# KiCad board WLED Matrix.kicad_pcb
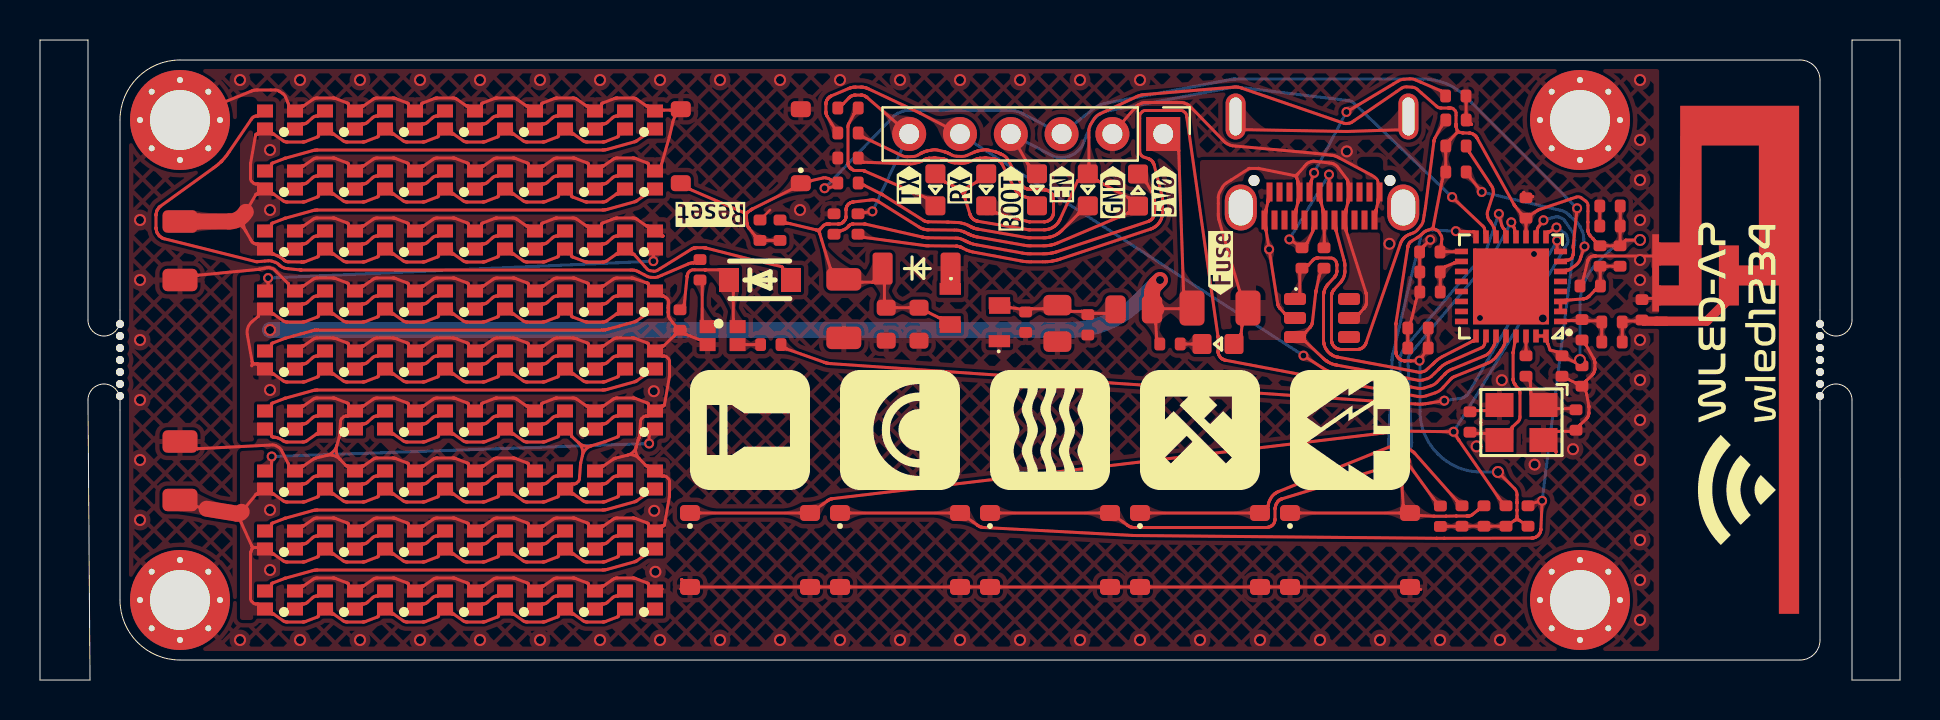
[diagram p0: board, top side]
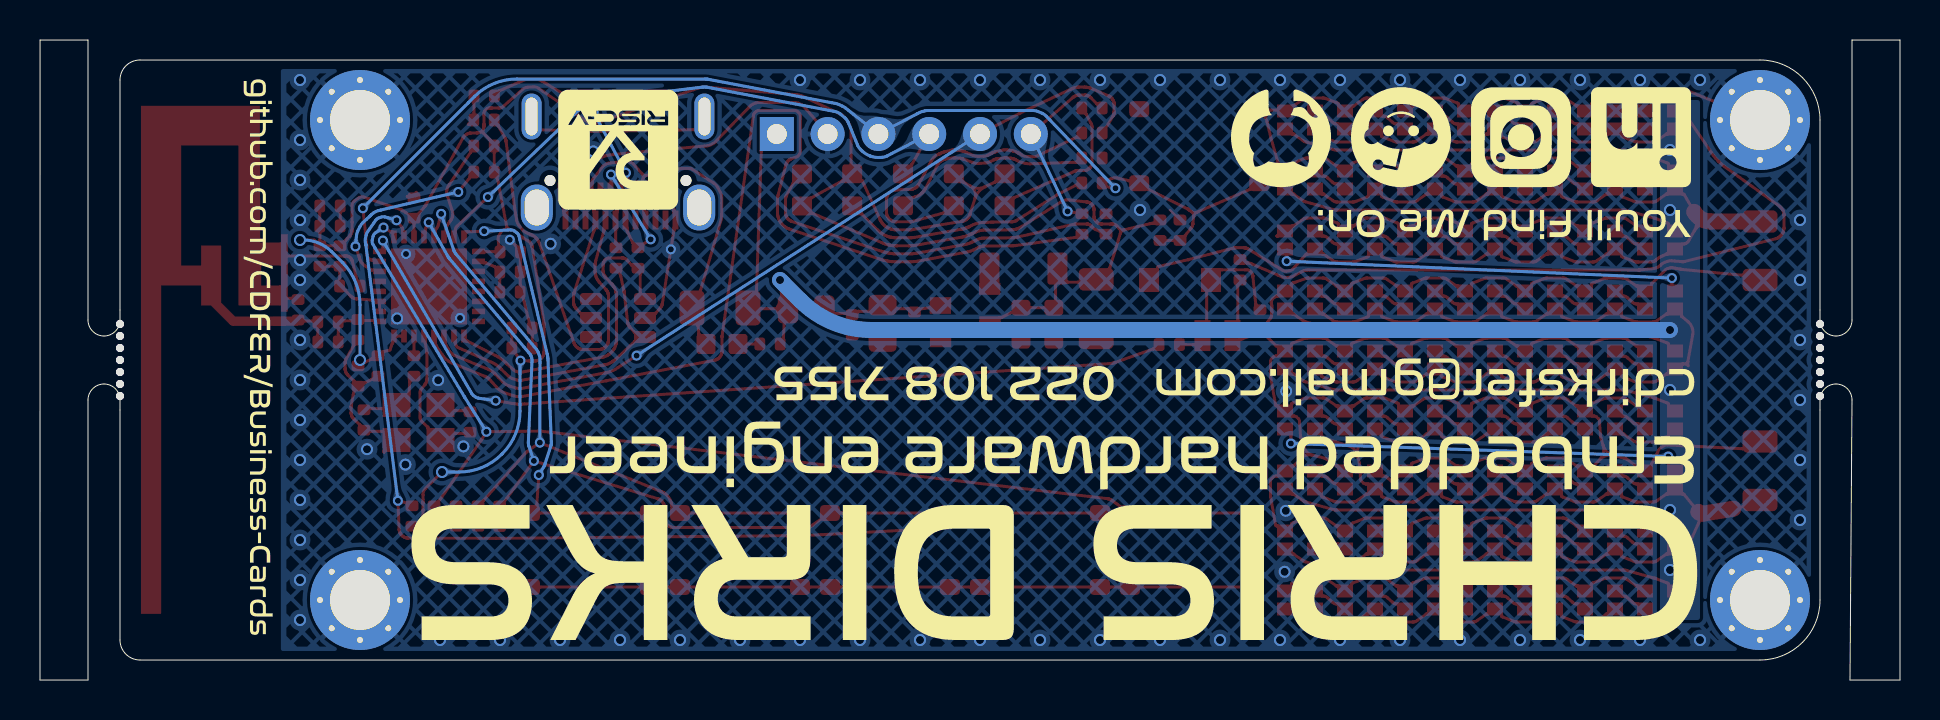
[diagram p1: board, bottom side, seen from below]

Outline 93 x 32 mm; copper layers: Top, Bottom. Coordinates in mm from the lower left corner of the outline.
Outline path: 3.2,14.8 arc(2.63,14.57) 2.4,14 2.5,0 0,0 0,32 2.4,32 2.4,18 arc(2.63,17.43) 3.2,17.2 ; 4,18.5 4,28 arc(4.88,30.12) 7,31 88,31 arc(88.71,30.71) 89,30 89,18.5 ; 4,13.5 4,4 arc(4.88,1.88) 7,1 88,1 arc(88.71,1.29) 89,2 89,13.5 ; 89.8,14.8 arc(90.37,14.57) 90.6,14 90.6,0 93,0 93,32 90.6,32 ; 90.6,32 90.6,18 arc(90.37,17.43) 89.8,17.2
Stack: Top 0.035mm / dielectric 0.9mm FR4 er 4.5 / Bottom 0.035mm

## Placement (name value [footprint] x y rotation side)
AE1  Inverted_F_50ohm  [Inverted_F_Antenna_2.4Ghz_1.0mmPCB_TI_CC2430DB.pretty]  87.95 28.71 270 top
C1  0402,100nF,50V,X7R  [0402_1005Metric]  74.3 23.6 90 top
C2  1206,100uF,6.3V,X5R  [1206_3216Metric]  40.19 18.57 270 top
C3  0805,1uF,50V,X7R  [0805_2012Metric]  50.87 17.83 270 top
C4  0402,1.5pF,50V,C0G  [0402_1005Metric]  80.1 18.51 90 top
C5  0402,1.5pF,50V,C0G  [0402_1005Metric]  77.1 17.51 270 top
C6  100nF  [0402_1005Metric]  32 18 270 top
C7  0402,330pF,50V,C0G  [0402_1005Metric]  49.28 17.89 270 top
C8  0402,4.7uF,10V,X5R  [0402_1005Metric]  52.39 17.76 270 top
C12  0603,470nF,25V,X7R  [0603_1608Metric]  42.31 17.79 270 top
C13  0603,330pF,50V,C0G  [0603_1608Metric]  43.95 17.79 270 top
C21  0402,10uF,6.3V,X5R  [0402_1005Metric]  68.9 17.6 180 top
C22  0402,12pF,50V,C0G  [0402_1005Metric]  71.5 12.9 90 top
C23  0402,12pF,50V,C0G  [0402_1005Metric]  76.8 13 90 top
C24  1206,4.7uF,50V,X7R  [1206_3216Metric]  7 21.46 270 top
C25  1206,4.7uF,50V,X7R  [1206_3216Metric]  7 10.46 90 top
C51  0402,10uF,6.3V,X5R  [0402_1005Metric]  68.9 16.6 180 top
C52  0402,1uF,25V,X5R  [0402_1005Metric]  78.5 23.7 180 top
C53  0402,100nF,50V,X7R  [0402_1005Metric]  78.5 22.7 180 top
C54  0402,100nF,50V,X7R  [0402_1005Metric]  69.5 20.4 180 top
C55  0402,1uF,25V,X5R  [0402_1005Metric]  77.51 19.7 180 top
C56  0402,1uF,25V,X5R  [0402_1005Metric]  69.5 19.4 180 top
C57  0402,100nF,50V,X7R  [0402_1005Metric]  69.49 21.4 180 top
C58  0402,100nF,50V,X7R  [0402_1005Metric]  76.1 15.7 270 top
C59  0402,1uF,25V,X5R  [0402_1005Metric]  77.1 15.2 270 top
C60  0402,1uF,25V,X5R  [0402_1005Metric]  36 22.49 90 top
D2  Zenner 3.3V <2uA ZMM3V3  [LL-34_L3.5-W1.5-RD]  43.83 20.57 0 top
ESD1  SRV05  [SOT-23-6_L2.9-W1.6-P0.95-LS2.8-BR]  64.1 18.1 180 top
F1  1.5A Resettable Fuse  [Fuse_1206_3216Metric]  59 18.6 0 top
FB1  0805,800mA  [0805_2012Metric]  54.69 18.53 180 top
J1  Conn_01x06_Socket  [PinHeader_1x06_P2.54mm_Vertical]  56.16 27.3 270 top
J2  USB_C_Receptacle  [TYPE-C-SMD_C9900025773]  64.1 25.59 180 top
kibuzzard-66972DEC  G***  [kibuzzard-66972DEC]  43.45 24.76 90 top
kibuzzard-66972E01  G***  [kibuzzard-66972E01]  45.99 24.76 90 top
kibuzzard-66972E1B  G***  [kibuzzard-66972E1B]  48.54 24.08 90 top
kibuzzard-66972E33  G***  [kibuzzard-66972E33]  51.09 24.79 90 top
kibuzzard-66972E52  G***  [kibuzzard-66972E52]  53.64 24.4 90 top
kibuzzard-66972E60  G***  [kibuzzard-66972E60]  56.2 24.44 90 top
kibuzzard-66972EDE  G***  [kibuzzard-66972EDE]  59.03 20.85 90 top
kibuzzard-66972F43  G***  [kibuzzard-66972F43]  33.52 23.28 180 top
L3  0402,3.9nH,300mA  [0402_1005Metric]  78.6 16.9 180 top
L4  0402,3.9nH,300mA  [0402_1005Metric]  78.6 17.9 180 top
L5  0402,3.9nH,300mA  [0402_1005Metric]  79 21.2 270 top
L6  0402,3.9nH,300mA  [0402_1005Metric]  78 21.2 270 top
LDO1  LDO 3.3V 200mA XC6206P332MR  [SOT-23-3_L2.9-W1.6-P1.90-LS2.8-BR]  46.73 17.89 0 top
LDO1#2  LDO 3.3V 200mA XC6206P332MR  [SOT-23-3_L2.9-W1.6-P1.90-LS2.8-BR]  46.75 18.61 180 top
LED1  0603,Red  [LED0603]  58.9 16.8 0 top
LED2  0603,Red  [LED0603]  54.9 24.5 270 top
LED4  0603,Yellow  [LED0603]  44.77 24.51 90 top
LED5  0603,Yellow  [LED0603]  47.31 24.51 90 top
LED6  0603,Red  [LED0603]  52.39 24.51 90 top
LED7  0603,Red  [LED0603]  49.85 24.51 90 top
M1  -  [MountingHole_3.2mm_M3]  7 28 90 top
M2  -  [MountingHole_3.2mm_M3]  77 28 90 top
M3  -  [MountingHole_3.2mm_M3]  77 4 90 top
M4  -  [MountingHole_3.2mm_M3]  7 4 90 top
MB2  -  [MouseBitesJLCPCB]  89 16 270 top
MB3  -  [MouseBitesJLCPCB]  4 16 90 top
R1  0402,100  [0402_1005Metric]  36.54 16.77 180 top
R2  0402,0,1A  [0402_1005Metric]  63.1 21.1 270 top
R3  0402,0,1A  [0402_1005Metric]  64.2 21.1 270 top
R4  0402,10k  [0402_1005Metric]  70.8 26.7 0 top
R5  0402,100  [0402_1005Metric]  33 20.51 90 top
R6  0402,0,1A  [0402_1005Metric]  74.3 15.7 270 top
R7  0402,10k  [0402_1005Metric]  70.8 25.4 0 top
R12  0402,680  [0402_1005Metric]  40.4 27.35 180 top
R13  0402,5.1k  [0402_1005Metric]  70.8 28 0 top
R14  0402,5.1k  [0402_1005Metric]  70.79 29.2 0 top
R15  0402,1.2k  [0402_1005Metric]  40.4 24.85 180 top
R16  0402,1.2k  [0402_1005Metric]  40.4 26.1 180 top
R17  0402,680  [0402_1005Metric]  40.4 28.6 180 top
R18  0402,330  [0402_1005Metric]  56.5 16.8 0 top
R20  0402,10k  [0402_1005Metric]  73.3 8.2 90 top
R21  0402,10k  [0402_1005Metric]  74.4 8.2 90 top
R22  0402,1.2k  [0402_1005Metric]  39.7 22.8 90 top
R23  0402,510  [0402_1005Metric]  40.9 22.8 90 top
R24  0402,10k  [0402_1005Metric]  70.02 8.19 90 top
R27  0402,10k  [0402_1005Metric]  71.1 8.2 90 top
R28  0402,10k  [0402_1005Metric]  72.2 8.2 90 top
R36  0402,10k  [0402_1005Metric]  37 22.49 270 top
RGB1  XL-1615RGBC-WS2812B  [LED-SMD_4P-L1.6-W1.5_XL-1615RGBC-WS2812B]  34.13 17.22 0 top
RGB2  XL-1615RGBC-WS2812B  [LED-SMD_4P-L1.6-W1.5_XL-1615RGBC-WS2812B]  12 28 180 top
RGB3  XL-1615RGBC-WS2812B  [LED-SMD_4P-L1.6-W1.5_XL-1615RGBC-WS2812B]  15 28 180 top
RGB4  XL-1615RGBC-WS2812B  [LED-SMD_4P-L1.6-W1.5_XL-1615RGBC-WS2812B]  18 28 180 top
RGB5  XL-1615RGBC-WS2812B  [LED-SMD_4P-L1.6-W1.5_XL-1615RGBC-WS2812B]  21 28 180 top
RGB6  XL-1615RGBC-WS2812B  [LED-SMD_4P-L1.6-W1.5_XL-1615RGBC-WS2812B]  24 28 180 top
RGB7  XL-1615RGBC-WS2812B  [LED-SMD_4P-L1.6-W1.5_XL-1615RGBC-WS2812B]  27 28 180 top
RGB8  XL-1615RGBC-WS2812B  [LED-SMD_4P-L1.6-W1.5_XL-1615RGBC-WS2812B]  30 28 180 top
RGB9  XL-1615RGBC-WS2812B  [LED-SMD_4P-L1.6-W1.5_XL-1615RGBC-WS2812B]  12 25 180 top
RGB10  XL-1615RGBC-WS2812B  [LED-SMD_4P-L1.6-W1.5_XL-1615RGBC-WS2812B]  15 25 180 top
RGB11  XL-1615RGBC-WS2812B  [LED-SMD_4P-L1.6-W1.5_XL-1615RGBC-WS2812B]  18 25 180 top
RGB12  XL-1615RGBC-WS2812B  [LED-SMD_4P-L1.6-W1.5_XL-1615RGBC-WS2812B]  21 25 180 top
RGB13  XL-1615RGBC-WS2812B  [LED-SMD_4P-L1.6-W1.5_XL-1615RGBC-WS2812B]  24 25 180 top
RGB14  XL-1615RGBC-WS2812B  [LED-SMD_4P-L1.6-W1.5_XL-1615RGBC-WS2812B]  27 25 180 top
RGB15  XL-1615RGBC-WS2812B  [LED-SMD_4P-L1.6-W1.5_XL-1615RGBC-WS2812B]  30 25 180 top
RGB16  XL-1615RGBC-WS2812B  [LED-SMD_4P-L1.6-W1.5_XL-1615RGBC-WS2812B]  12 22 180 top
RGB17  XL-1615RGBC-WS2812B  [LED-SMD_4P-L1.6-W1.5_XL-1615RGBC-WS2812B]  15 22 180 top
RGB18  XL-1615RGBC-WS2812B  [LED-SMD_4P-L1.6-W1.5_XL-1615RGBC-WS2812B]  18 22 180 top
RGB19  XL-1615RGBC-WS2812B  [LED-SMD_4P-L1.6-W1.5_XL-1615RGBC-WS2812B]  21 22 180 top
RGB20  XL-1615RGBC-WS2812B  [LED-SMD_4P-L1.6-W1.5_XL-1615RGBC-WS2812B]  24 22 180 top
RGB21  XL-1615RGBC-WS2812B  [LED-SMD_4P-L1.6-W1.5_XL-1615RGBC-WS2812B]  27 22 180 top
RGB22  XL-1615RGBC-WS2812B  [LED-SMD_4P-L1.6-W1.5_XL-1615RGBC-WS2812B]  30 22 180 top
RGB23  XL-1615RGBC-WS2812B  [LED-SMD_4P-L1.6-W1.5_XL-1615RGBC-WS2812B]  12 19 180 top
RGB24  XL-1615RGBC-WS2812B  [LED-SMD_4P-L1.6-W1.5_XL-1615RGBC-WS2812B]  15 19 180 top
RGB25  XL-1615RGBC-WS2812B  [LED-SMD_4P-L1.6-W1.5_XL-1615RGBC-WS2812B]  18 19 180 top
RGB26  XL-1615RGBC-WS2812B  [LED-SMD_4P-L1.6-W1.5_XL-1615RGBC-WS2812B]  21 19 180 top
RGB27  XL-1615RGBC-WS2812B  [LED-SMD_4P-L1.6-W1.5_XL-1615RGBC-WS2812B]  24 19 180 top
RGB28  XL-1615RGBC-WS2812B  [LED-SMD_4P-L1.6-W1.5_XL-1615RGBC-WS2812B]  27 19 180 top
RGB29  XL-1615RGBC-WS2812B  [LED-SMD_4P-L1.6-W1.5_XL-1615RGBC-WS2812B]  30 19 180 top
RGB30  XL-1615RGBC-WS2812B  [LED-SMD_4P-L1.6-W1.5_XL-1615RGBC-WS2812B]  12 16 180 top
RGB31  XL-1615RGBC-WS2812B  [LED-SMD_4P-L1.6-W1.5_XL-1615RGBC-WS2812B]  15 16 180 top
RGB32  XL-1615RGBC-WS2812B  [LED-SMD_4P-L1.6-W1.5_XL-1615RGBC-WS2812B]  18 16 180 top
RGB33  XL-1615RGBC-WS2812B  [LED-SMD_4P-L1.6-W1.5_XL-1615RGBC-WS2812B]  21 16 180 top
RGB34  XL-1615RGBC-WS2812B  [LED-SMD_4P-L1.6-W1.5_XL-1615RGBC-WS2812B]  24 16 180 top
RGB35  XL-1615RGBC-WS2812B  [LED-SMD_4P-L1.6-W1.5_XL-1615RGBC-WS2812B]  27 16 180 top
RGB36  XL-1615RGBC-WS2812B  [LED-SMD_4P-L1.6-W1.5_XL-1615RGBC-WS2812B]  30 16 180 top
RGB37  XL-1615RGBC-WS2812B  [LED-SMD_4P-L1.6-W1.5_XL-1615RGBC-WS2812B]  12 13 180 top
RGB38  XL-1615RGBC-WS2812B  [LED-SMD_4P-L1.6-W1.5_XL-1615RGBC-WS2812B]  15 13 180 top
RGB39  XL-1615RGBC-WS2812B  [LED-SMD_4P-L1.6-W1.5_XL-1615RGBC-WS2812B]  18 13 180 top
RGB40  XL-1615RGBC-WS2812B  [LED-SMD_4P-L1.6-W1.5_XL-1615RGBC-WS2812B]  21 13 180 top
RGB41  XL-1615RGBC-WS2812B  [LED-SMD_4P-L1.6-W1.5_XL-1615RGBC-WS2812B]  24 13 180 top
RGB42  XL-1615RGBC-WS2812B  [LED-SMD_4P-L1.6-W1.5_XL-1615RGBC-WS2812B]  27 13 180 top
RGB43  XL-1615RGBC-WS2812B  [LED-SMD_4P-L1.6-W1.5_XL-1615RGBC-WS2812B]  30 13 180 top
RGB44  XL-1615RGBC-WS2812B  [LED-SMD_4P-L1.6-W1.5_XL-1615RGBC-WS2812B]  12 10 180 top
RGB45  XL-1615RGBC-WS2812B  [LED-SMD_4P-L1.6-W1.5_XL-1615RGBC-WS2812B]  15 10 180 top
RGB46  XL-1615RGBC-WS2812B  [LED-SMD_4P-L1.6-W1.5_XL-1615RGBC-WS2812B]  18 10 180 top
RGB47  XL-1615RGBC-WS2812B  [LED-SMD_4P-L1.6-W1.5_XL-1615RGBC-WS2812B]  21 10 180 top
RGB48  XL-1615RGBC-WS2812B  [LED-SMD_4P-L1.6-W1.5_XL-1615RGBC-WS2812B]  24 10 180 top
RGB49  XL-1615RGBC-WS2812B  [LED-SMD_4P-L1.6-W1.5_XL-1615RGBC-WS2812B]  27 10 180 top
RGB50  XL-1615RGBC-WS2812B  [LED-SMD_4P-L1.6-W1.5_XL-1615RGBC-WS2812B]  30 10 180 top
RGB51  XL-1615RGBC-WS2812B  [LED-SMD_4P-L1.6-W1.5_XL-1615RGBC-WS2812B]  12 7 180 top
RGB52  XL-1615RGBC-WS2812B  [LED-SMD_4P-L1.6-W1.5_XL-1615RGBC-WS2812B]  15 7 180 top
RGB53  XL-1615RGBC-WS2812B  [LED-SMD_4P-L1.6-W1.5_XL-1615RGBC-WS2812B]  18 7 180 top
RGB54  XL-1615RGBC-WS2812B  [LED-SMD_4P-L1.6-W1.5_XL-1615RGBC-WS2812B]  21 7 180 top
RGB55  XL-1615RGBC-WS2812B  [LED-SMD_4P-L1.6-W1.5_XL-1615RGBC-WS2812B]  24 7 180 top
RGB56  XL-1615RGBC-WS2812B  [LED-SMD_4P-L1.6-W1.5_XL-1615RGBC-WS2812B]  27 7 180 top
RGB57  XL-1615RGBC-WS2812B  [LED-SMD_4P-L1.6-W1.5_XL-1615RGBC-WS2812B]  30 7 180 top
RGB58  XL-1615RGBC-WS2812B  [LED-SMD_4P-L1.6-W1.5_XL-1615RGBC-WS2812B]  12 4 180 top
RGB59  XL-1615RGBC-WS2812B  [LED-SMD_4P-L1.6-W1.5_XL-1615RGBC-WS2812B]  15 4 180 top
RGB60  XL-1615RGBC-WS2812B  [LED-SMD_4P-L1.6-W1.5_XL-1615RGBC-WS2812B]  18 4 180 top
RGB61  XL-1615RGBC-WS2812B  [LED-SMD_4P-L1.6-W1.5_XL-1615RGBC-WS2812B]  21 4 180 top
RGB62  XL-1615RGBC-WS2812B  [LED-SMD_4P-L1.6-W1.5_XL-1615RGBC-WS2812B]  24 4 180 top
RGB63  XL-1615RGBC-WS2812B  [LED-SMD_4P-L1.6-W1.5_XL-1615RGBC-WS2812B]  27 4 180 top
RGB64  XL-1615RGBC-WS2812B  [LED-SMD_4P-L1.6-W1.5_XL-1615RGBC-WS2812B]  30 4 180 top
SW5  Button SPST 50mA 12V  [SW-SMD_4P-L5.1-W5.1-P3.70-LS6.5-TL-2]  35.5 6.5 0 top
SW6  Button SPST 50mA 12V  [SW-SMD_4P-L5.1-W5.1-P3.70-LS6.5-TL-2]  43 6.5 0 top
SW7  Button SPST 50mA 12V  [SW-SMD_4P-L5.1-W5.1-P3.70-LS6.5-TL-2]  50.5 6.5 0 top
SW8  Button SPST 50mA 12V  [SW-SMD_4P-L5.1-W5.1-P3.70-LS6.5-TL-2]  58 6.5 0 top
SW9  Button SPST 50mA 12V  [SW-SMD_4P-L5.1-W5.1-P3.70-LS6.5-TL-2]  65.5 6.5 0 top
SW11  Button SPST 50mA 12V  [SW-SMD_4P-L5.1-W5.1-P3.70-LS6.5-TL-2]  35.04 26.69 180 top
U1  SM4007PL  [SOD-123F_L2.8-W1.8-LS3.7-RD]  36 20 0 top
U3  ESP32-C3FH4  [QFN-32_L5.0-W5.0-P0.50-TL-EP3.7]  73.55 19.68 180 top
X1  40Mhz  [OSC-SMD_4P-L3.2-W2.5-BL]  74.07 12.87 180 top

## Library data of the parts
AE1 = -: Description: Antenna with extra pin for shielding
C1 C53 C54 C57 C58 = -: Datasheet: https://datasheet.lcsc.com/lcsc/1810191222_Samsung-Electro-Mechanics-CL05B104KB54PNC_C307331.pdf; Description: 50V 100nF X7R   10% 0402 Multilayer Ceramic Capacitors MLCC - SMD SMT ROHS; LCSC: C307331; MFG: Samsung Electro-Mechanics; MFGPN: CL05B104KB54PNC
C2 = -: Datasheet: https://datasheet.lcsc.com/lcsc/1810301816_Samsung-Electro-Mechanics-CL31A107MQHNNNE_C15008.pdf; Description: 6 3V 100uF X5R   20% 1206 Multilayer Ceramic Capacitors MLCC - SMD SMT ROHS; LCSC: C15008; MFG: Samsung Electro-Mechanics; MFGPN: CL31A107MQHNNNE
C3 = -: Datasheet: https://datasheet.lcsc.com/lcsc/1810191216_Samsung-Electro-Mechanics-CL21B105KBFNNNE_C28323.pdf; Description: 50V 1uF X7R   10% 0805 Multilayer Ceramic Capacitors MLCC - SMD SMT ROHS; LCSC: C28323; MFG: Samsung Electro-Mechanics; MFGPN: CL21B105KBFNNNE
C4 C5 = -: Datasheet: https://datasheet.lcsc.com/lcsc/1811151132_FH-Guangdong-Fenghua-Advanced-Tech-0402CG1R5C500NT_C1552.pdf; Description: 50V 1 5pF C0G   0 25pF 0402 Multilayer Ceramic Capacitors MLCC - SMD SMT ROHS; LCSC: C1552; MFG: FH(Guangdong Fenghua Advanced Tech); MFGPN: 0402CG1R5C500NT
C6 = -: Datasheet: https://datasheet.lcsc.com/lcsc/1810191219_Samsung-Electro-Mechanics-CL05B104KO5NNNC_C1525.pdf; Description: 16V 100nF X7R   10% 0402 Multilayer Ceramic Capacitors MLCC - SMD SMT ROHS; LCSC: C1525; MFG: Samsung Electro-Mechanics; MFGPN: CL05B104KO5NNNC
C7 = -: Datasheet: https://datasheet.lcsc.com/lcsc/1810192025_Samsung-Electro-Mechanics-CL05C331JB5NNNC_C13533.pdf; Description: 50V 330pF C0G   5% 0402 Multilayer Ceramic Capacitors MLCC - SMD SMT ROHS; LCSC: C13533; MFG: Samsung Electro-Mechanics; MFGPN: CL05C331JB5NNNC
C8 = -: Datasheet: https://datasheet.lcsc.com/lcsc/1810191211_Samsung-Electro-Mechanics-CL05A475MP5NRNC_C23733.pdf; Description: 10V 4 7uF X5R   20% 0402 Multilayer Ceramic Capacitors MLCC - SMD SMT ROHS; LCSC: C23733; MFG: Samsung Electro-Mechanics; MFGPN: CL05A475MP5NRNC
C12 = -: Datasheet: https://datasheet.lcsc.com/lcsc/1810261513_Samsung-Electro-Mechanics-CL10B474KA8NNNC_C1623.pdf; Description: 25V 470nF X7R   10% 0603 Multilayer Ceramic Capacitors MLCC - SMD SMT ROHS; LCSC: C1623; MFG: Samsung Electro-Mechanics; MFGPN: CL10B474KA8NNNC
C13 = -: Datasheet: https://datasheet.lcsc.com/lcsc/1810261512_Samsung-Electro-Mechanics-CL10C331JB8NNNC_C1664.pdf; Description: 50V 330pF C0G   5% 0603 Multilayer Ceramic Capacitors MLCC - SMD SMT ROHS; LCSC: C1664; MFG: Samsung Electro-Mechanics; MFGPN: CL10C331JB8NNNC
C21 C51 = -: Datasheet: https://datasheet.lcsc.com/lcsc/1810191215_Samsung-Electro-Mechanics-CL05A106MQ5NUNC_C15525.pdf; Description: 6 3V 10uF X5R   20% 0402 Multilayer Ceramic Capacitors MLCC - SMD SMT ROHS; LCSC: C15525; MFG: Samsung Electro-Mechanics; MFGPN: CL05A106MQ5NUNC
C22 C23 = -: Datasheet: https://datasheet.lcsc.com/lcsc/1811141710_FH-Guangdong-Fenghua-Advanced-Tech-0402CG120J500NT_C1547.pdf; Description: 50V 12pF C0G   5% 0402 Multilayer Ceramic Capacitors MLCC - SMD SMT ROHS; LCSC: C1547; MFG: FH(Guangdong Fenghua Advanced Tech); MFGPN: 0402CG120J500NT
C24 C25 = -: Datasheet: https://datasheet.lcsc.com/lcsc/1811091112_FH-Guangdong-Fenghua-Advanced-Tech-1206B475K500NT_C29823.pdf; Description: 50V 4 7uF X7R   10% 1206 Multilayer Ceramic Capacitors MLCC - SMD SMT ROHS; LCSC: C29823; MFG: FH(Guangdong Fenghua Advanced Tech); MFGPN: 1206B475K500NT
C52 C55 C56 C59 C60 = -: Datasheet: https://datasheet.lcsc.com/lcsc/1811091611_Samsung-Electro-Mechanics-CL05A105KA5NQNC_C52923.pdf; Description: 25V 1uF X5R   10% 0402 Multilayer Ceramic Capacitors MLCC - SMD SMT ROHS; LCSC: C52923; MFG: Samsung Electro-Mechanics; MFGPN: CL05A105KA5NQNC
D2 = -: Datasheet: https://www.lcsc.com/product-detail/Zener-Diodes_ST-Semtech-ZMM3V3-M_C8056.html; LCSC: C7497475; Field5: REF**
ESD1 = -: Datasheet: https://item.szlcsc.com/169042.html; LCSC: C85364; Field5: REF**
F1 = -: Description: Resettable fuse, polymeric positive temperature coefficient; LCSC: C2838983; ki_fp_filters: *polyfuse* *PTC*
FB1 = -: Datasheet: https://item.szlcsc.com/344132.html; LCSC: C1015
J1 = -: Description: Generic connector, single row, 01x06, script generated; ki_fp_filters: Connector*:*_1x??_*
J2 = -: Datasheet: https://www.usb.org/sites/default/files/documents/usb_type-c.zip; Description: USB Full-Featured Type-C Receptacle connector; LCSC: C5156605; Field5: REF**; ki_fp_filters: USB*C*Receptacle*
L3-L6 = -: Datasheet: https://item.szlcsc.com/344049.html; LCSC: C14033
LDO1 LDO1#2 = -: Datasheet: https://datasheet.lcsc.com/lcsc/2304140030_Torex-Semicon-XC6206P332MR_C5446.pdf; LCSC: C5446; Field5: REF**
LED1 LED2 LED6 LED7 = -: Datasheet: https://item.szlcsc.com/347874.html; LCSC: C2286; Field5: REF**
LED4 LED5 = -: Datasheet: https://atta.szlcsc.com/upload/public/pdf/source/20180129/C125100_15171877314981315871.pdf; LCSC: C72038; Field5: REF**
R1 R5 = -: Datasheet: https://datasheet.lcsc.com/lcsc/2110252230_UNI-ROYAL-Uniroyal-Elec-0402WGF1000TCE_C25076.pdf; Description: 1% 1 16W Thick Film Resistors 50V   200ppm    -55    155   100   0402 Chip Resistor - Surface Mount ROHS; LCSC: C25076; MFG: UNI-ROYAL(Uniroyal Elec); MFGPN: 0402WGF1000TCE
R2 R3 R6 = -: Datasheet: https://datasheet.lcsc.com/lcsc/2110251730_UNI-ROYAL-Uniroyal-Elec-0402WGF0000TCE_C17168.pdf; Description: 1% 1 16W Thick Film Resistors 50V   800ppm    -55    155   0   0402 Chip Resistor - Surface Mount ROHS; LCSC: C17168; MFG: UNI-ROYAL(Uniroyal Elec); MFGPN: 0402WGF0000TCE
R4 R7 R20 R21 R24 R27 R28 R36 = -: Datasheet: https://datasheet.lcsc.com/lcsc/2110260030_UNI-ROYAL-Uniroyal-Elec-0402WGF1002TCE_C25744.pdf; Description: 1% 1 16W Thick Film Resistors 50V   100ppm    -55    155   10k   0402 Chip Resistor - Surface Mount ROHS; LCSC: C25744; MFG: UNI-ROYAL(Uniroyal Elec); MFGPN: 0402WGF1002TCE
R12 R17 = -: Datasheet: https://datasheet.lcsc.com/lcsc/2110252230_UNI-ROYAL-Uniroyal-Elec-0402WGF6800TCE_C25130.pdf; Description: 1% 1 16W Thick Film Resistors 50V   100ppm    -55    155   680   0402 Chip Resistor - Surface Mount ROHS; LCSC: C25130; MFG: UNI-ROYAL(Uniroyal Elec); MFGPN: 0402WGF6800TCE
R13 R14 = -: Datasheet: https://datasheet.lcsc.com/lcsc/2110260030_UNI-ROYAL-Uniroyal-Elec-0402WGF5101TCE_C25905.pdf; Description: 1% 1 16W Thick Film Resistors 50V   100ppm    -55    155   5 1k   0402 Chip Resistor - Surface Mount ROHS; LCSC: C25905; MFG: UNI-ROYAL(Uniroyal Elec); MFGPN: 0402WGF5101TCE
R15 R16 R22 = -: Datasheet: https://datasheet.lcsc.com/lcsc/2110260030_UNI-ROYAL-Uniroyal-Elec-0402WGF1201TCE_C25862.pdf; Description: 1% 1 16W Thick Film Resistors 50V   100ppm    -55    155   1 2k   0402 Chip Resistor - Surface Mount ROHS; LCSC: C25862; MFG: UNI-ROYAL(Uniroyal Elec); MFGPN: 0402WGF1201TCE
R18 = -: Datasheet: https://datasheet.lcsc.com/lcsc/2110252230_UNI-ROYAL-Uniroyal-Elec-0402WGF3300TCE_C25104.pdf; Description: 1% 1 16W Thick Film Resistors 50V   100ppm    -55    155   330   0402 Chip Resistor - Surface Mount ROHS; LCSC: C25104; MFG: UNI-ROYAL(Uniroyal Elec); MFGPN: 0402WGF3300TCE
R23 = -: Datasheet: https://datasheet.lcsc.com/lcsc/2110252230_UNI-ROYAL-Uniroyal-Elec-0402WGF5100TCE_C25123.pdf; Description: 1% 1 16W Thick Film Resistors 50V   100ppm    -55    155   510   0402 Chip Resistor - Surface Mount ROHS; LCSC: C25123; MFG: UNI-ROYAL(Uniroyal Elec); MFGPN: 0402WGF5100TCE
RGB1-RGB64 = -: Datasheet: https://atta.szlcsc.com/upload/public/pdf/source/20230111/5AD58278EBED6B6650A81C53A19BF314.pdf; LCSC: C5349954; Field5: REF**
SW5-SW9 SW11 = -: Datasheet: https://item.szlcsc.com/300285.html; LCSC: C318884; Field5: REF**
U1 = -: Datasheet: https://item.szlcsc.com/60254.html; LCSC: C64898; Field5: REF**
U3 = -: Datasheet: https://item.szlcsc.com/18002.html; LCSC: C2858491; Field5: REF**
X1 = -: Datasheet: https://item.szlcsc.com/15866.html; Field4: REF**

## Footprints (pads in the part's own frame, mm; a bottom-side part is the same pattern mirrored in y, then rotated)
0402_1005Metric
  rrect 0.54x0.64 smd: 1(-0.51,0) 2(0.51,0)
0603_1608Metric
  rrect 0.8x0.95 smd: 1(-0.825,0) 2(0.825,0)
0805_2012Metric
  rrect 1.025x1.4 smd: 1(-0.912,0) 2(0.912,0)
1206_3216Metric
  rrect 1.125x1.75 smd: 1(-1.462,0) 2(1.462,0)
Fuse_1206_3216Metric
  rrect 1.25x1.75 smd: 1(-1.4,0) 2(1.4,0)
Inverted_F_Antenna_2.4Ghz_1.0mmPCB_TI_CC2430DB.pretty
  rrect 0.46x1 smd: 1(10.77,-6.9)
  rrect 1.15x0.2 smd: 2(7.41,-7)
  rrect 1x0.2 smd: 2(9.48,-7)
LED0603
  rrect 0.95x1 smd: 1(-0.8,0) 2(0.8,0)
LED-SMD_4P-L1.6-W1.5_XL-1615RGBC-WS2812B
  rect 0.8x0.65 smd: 1(-0.75,0.45) 2(0.75,0.45) 3(-0.75,-0.45) 4(0.75,-0.45)
LL-34_L3.5-W1.5-RD
  rrect 1x1.6 smd: 1(-1.7,0) 2(1.7,0)
MountingHole_3.2mm_M3
  round 0.4 hole 0.3: (-2,0) (-1.414,1.414) (-1.414,-1.414) (0,2) (0,-2) (1.414,1.414) (1.414,-1.414) (2,0)
  round 5 hole 3: (0,0)
MouseBitesJLCPCB
  round 0.4 hole 0.4 unplated: (-1.8,0) (-1.2,0) (-0.6,0) (0,0) (0.6,0) (1.2,0) (1.8,0)
OSC-SMD_4P-L3.2-W2.5-BL
  rect 1.4x1.2 smd: 1(-1.1,-0.875) 2(1.1,-0.875) 3(1.1,0.875) 4(-1.1,0.875)
PinHeader_1x06_P2.54mm_Vertical
  rect 1.7x1.7 hole 1: 1(0,0)
  oval 1.7x1.7 hole 1: 2(0,-2.54) 3(0,-5.08) 4(0,-7.62) 5(0,-10.16) 6(0,-12.7)
QFN-32_L5.0-W5.0-P0.50-TL-EP3.7
  rect 0.65x0.28 smd: 1(-2.478,1.75) 2(-2.478,1.25) 3(-2.478,0.75) 4(-2.478,0.25) 5(-2.478,-0.25) 6(-2.478,-0.75) 7(-2.478,-1.25) 8(-2.478,-1.75) 17(2.478,-1.75) 18(2.478,-1.25) 19(2.478,-0.75) 20(2.478,-0.25) 21(2.478,0.25) 22(2.478,0.75) 23(2.478,1.25) 24(2.478,1.75)
  rect 0.28x0.65 smd: 9(-1.75,-2.478) 10(-1.25,-2.478) 11(-0.75,-2.478) 12(-0.25,-2.478) 13(0.25,-2.478) 14(0.75,-2.478) 15(1.25,-2.478) 16(1.75,-2.478) 25(1.75,2.478) 26(1.25,2.478) 27(0.75,2.478) 28(0.25,2.478) 29(-0.25,2.478) 30(-0.75,2.478) 31(-1.25,2.478) 32(-1.75,2.478)
  rect 3.8x3.8 smd: 33(0,0)
SOD-123F_L2.8-W1.8-LS3.7-RD
  rect 1x1.2 smd: 1(-1.55,0) 2(1.55,0)
SOT-23-3_L2.9-W1.6-P1.90-LS2.8-BR
  rect 1.07x0.6 smd: 1(1.235,-0.95) 2(1.235,0.95) 3(-1.235,0)
SOT-23-6_L2.9-W1.6-P0.95-LS2.8-BR
  rrect 1.1x0.6 smd: 1(1.35,-0.95) 2(1.35,0) 3(1.35,0.95) 4(-1.35,0.95) 5(-1.35,0) 6(-1.35,-0.95)
SW-SMD_4P-L5.1-W5.1-P3.70-LS6.5-TL-2
  rrect 1x0.8 smd: 1(-3,1.85) 2(3,1.85) 3(-3,-1.85) 4(3,-1.85)
TYPE-C-SMD_C9900025773
  round 0.55 hole 0.55 unplated: (-3.4,0.612) (3.4,0.612)
  rect 0.3x0.95 smd: A1(-2.625,2.588) A2(-2.125,2.588) A3(-1.625,2.588) A4(-1.125,2.588) A5(-0.625,2.588) A6(-0.125,2.588) A7(0.375,2.588) A8(0.875,2.588) A9(1.375,2.588) A10(1.875,2.588) A11(2.375,2.588) A12(2.875,2.588) B1(2.625,1.188) B2(2.125,1.188) B3(1.625,1.188) B4(1.125,1.188) B5(0.625,1.188) B6(0.125,1.188) B7(-0.375,1.188) B8(-0.875,1.188) B9(-1.375,1.188) B10(-1.875,1.188) B11(-2.375,1.188) B12(-2.875,1.188)
  oval 1x2.3 hole 0.6x1.9: S1(-4.32,-2.588) S1(4.32,-2.588)
  oval 1.6x2.3 hole 1.2x1.8: S1(-4.06,1.962) S1(4.06,1.962)

## Nets
+3.3V: C1.1 C2.1 C12.1 C13.1 C21.1 C51.1 C52.1 C53.1 C57.1 C58.1 C59.1 D2.1 L5.1 L6.1 LDO1.3 LED2.2 LED4.2 LED5.2 LED6.2 R4.1 R7.1 R20.1 R21.1 R24.1 R27.1 R28.1 R36.1 U3.11 U3.17 U3.31 U3.32
+5V: C24.1 C25.1 F1.1 FB1.1 J1.1 R18.1 RGB2.2 RGB3.2 RGB4.2 RGB5.2 RGB6.2 RGB7.2 RGB8.2 RGB9.2 RGB10.2 RGB11.2 RGB12.2 RGB13.2 RGB14.2 RGB15.2 RGB16.2 RGB17.2 RGB18.2 RGB19.2 RGB20.2 RGB21.2 RGB22.2 RGB23.2 RGB24.2 RGB25.2 RGB26.2 RGB27.2 RGB28.2 RGB29.2 RGB30.2 RGB31.2 RGB32.2 RGB33.2 RGB34.2 RGB35.2 RGB36.2 RGB37.2 RGB38.2 RGB39.2 RGB40.2 RGB41.2 RGB42.2 RGB43.2 RGB44.2 RGB45.2 RGB46.2 RGB47.2 RGB48.2 RGB49.2 RGB50.2 RGB51.2 RGB52.2 RGB53.2 RGB54.2 RGB55.2 RGB56.2 RGB57.2 RGB58.2 RGB59.2 RGB60.2 RGB61.2 RGB62.2 RGB63.2 RGB64.2 U1.2
GND: AE1.2 C1.2 C2.2 C3.2 C4.2 C5.2 C6.2 C7.2 C8.2 C12.2 C13.2 C21.2 C22.2 C23.1 C24.2 C25.2 C51.2 C52.2 C53.2 C54.2 C55.2 C56.2 C57.2 C58.2 C59.2 C60.2 D2.2 ESD1.2 J1.2 J2.A1 J2.A12 J2.B1 J2.B12 LDO1.1 M1. M2. M3. M4. R13.2 R14.2 R16.2 R22.2 RGB1.3 RGB2.3 RGB3.3 RGB4.3 RGB5.3 RGB6.3 RGB7.3 RGB8.3 RGB9.3 RGB10.3 RGB11.3 RGB12.3 RGB13.3 RGB14.3 RGB15.3 RGB16.3 RGB17.3 RGB18.3 RGB19.3 RGB20.3 RGB21.3 RGB22.3 RGB23.3 RGB24.3 RGB25.3 RGB26.3 RGB27.3 RGB28.3 RGB29.3 RGB30.3 RGB31.3 RGB32.3 RGB33.3 RGB34.3 RGB35.3 RGB36.3 RGB37.3 RGB38.3 RGB39.3 RGB40.3 RGB41.3 RGB42.3 RGB43.3 RGB44.3 RGB45.3 RGB46.3 RGB47.3 RGB48.3 RGB49.3 RGB50.3 RGB51.3 RGB52.3 RGB53.3 RGB54.3 RGB55.3 RGB56.3 RGB57.3 RGB58.3 RGB59.3 RGB60.3 RGB61.3 RGB62.3 RGB63.3 RGB64.3 SW5.3 SW5.4 SW6.3 SW6.4 SW7.3 SW7.4 SW8.3 SW8.4 SW9.3 SW9.4 SW11.3 SW11.4 U3.33 X1.2 X1.4
VBUS: ESD1.5 F1.2 J2.A4 J2.A9 J2.B4 J2.B9 LED1.2
/Antenna: C5.1 L3.2 L4.2 U3.1
/BOOT_IO9: J1.4 LED7.2 U3.15
/CC1: J2.A5 R13.1
/CC2: J2.B5 R14.1
/D+: ESD1.3 R3.2 U3.26
/D-: ESD1.1 R2.2 U3.25
/Flashlight: R20.2 SW5.1 SW5.2 U3.9
/Game of Life: R28.2 SW9.1 SW9.2 U3.16
/MCU_RX: J1.5 R12.2 U3.27
/MCU_TX: J1.6 R17.2 R23.2
/Neopixel Bus: R1.1 U3.8
/Noise: R27.2 SW8.1 SW8.2 U3.13
/Rainbow: R21.2 SW6.1 SW6.2 U3.10
/Reset: C60.1 J1.3 R15.2 R36.2 SW11.1 SW11.2 U3.7
/RX1+: J2.B11
/RX1-: J2.B10
/RX2+: J2.A11
/RX2-: J2.A10
/SBU1: J2.A8
/SBU2: J2.B8
/Sea: R24.2 SW7.1 SW7.2 U3.12
/SHLD: J2.S1
/TX1+: J2.A2
/TX1-: J2.A3
/TX2+: J2.B2
/TX2-: J2.B3
/XIN: C23.2 R6.2 X1.1
/XOUT: C22.1 U3.29 X1.3
Net-(AE1-A): AE1.1 C4.1 L3.1 L4.1
Net-(C55-Pad1): C55.1 L5.2 L6.2 U3.2 U3.3
Net-(J2-D+-PadA6): J2.A6 J2.B6 R3.1
Net-(J2-D--PadA7): J2.A7 J2.B7 R2.1
Net-(LDO1-Vin): C3.1 C7.1 C8.1 FB1.2 LDO1.2
Net-(LED1-K): LED1.1 R18.2
Net-(LED2-K): LED2.1 R22.1
Net-(LED4-C): LED4.1 R17.1
Net-(LED5-C): LED5.1 R12.1
Net-(LED6-K): LED6.1 R15.1
Net-(LED7-K): LED7.1 R16.1
Net-(RGB1-DI): R1.2 RGB1.4
Net-(RGB1-DO): R5.1 RGB1.1
Net-(RGB1-VDD): C6.1 RGB1.2 U1.1
Net-(RGB2-DI): R5.2 RGB2.4
Net-(RGB2-DO): RGB2.1 RGB3.4
Net-(RGB3-DO): RGB3.1 RGB4.4
Net-(RGB4-DO): RGB4.1 RGB5.4
Net-(RGB5-DO): RGB5.1 RGB6.4
Net-(RGB6-DO): RGB6.1 RGB7.4
Net-(RGB7-DO): RGB7.1 RGB8.4
Net-(RGB8-DO): RGB8.1 RGB9.4
Net-(RGB10-DI): RGB9.1 RGB10.4
Net-(RGB10-DO): RGB10.1 RGB11.4
Net-(RGB11-DO): RGB11.1 RGB12.4
Net-(RGB12-DO): RGB12.1 RGB13.4
Net-(RGB13-DO): RGB13.1 RGB14.4
Net-(RGB14-DO): RGB14.1 RGB15.4
Net-(RGB15-DO): RGB15.1 RGB16.4
Net-(RGB16-DO): RGB16.1 RGB17.4
Net-(RGB17-DO): RGB17.1 RGB18.4
Net-(RGB18-DO): RGB18.1 RGB19.4
Net-(RGB19-DO): RGB19.1 RGB20.4
Net-(RGB20-DO): RGB20.1 RGB21.4
Net-(RGB21-DO): RGB21.1 RGB22.4
Net-(RGB22-DO): RGB22.1 RGB23.4
Net-(RGB23-DO): RGB23.1 RGB24.4
Net-(RGB24-DO): RGB24.1 RGB25.4
Net-(RGB25-DO): RGB25.1 RGB26.4
Net-(RGB26-DO): RGB26.1 RGB27.4
Net-(RGB27-DO): RGB27.1 RGB28.4
Net-(RGB28-DO): RGB28.1 RGB29.4
Net-(RGB29-DO): RGB29.1 RGB30.4
Net-(RGB30-DO): RGB30.1 RGB31.4
Net-(RGB31-DO): RGB31.1 RGB32.4
Net-(RGB32-DO): RGB32.1 RGB33.4
Net-(RGB33-DO): RGB33.1 RGB34.4
Net-(RGB34-DO): RGB34.1 RGB35.4
Net-(RGB35-DO): RGB35.1 RGB36.4
Net-(RGB36-DO): RGB36.1 RGB37.4
Net-(RGB37-DO): RGB37.1 RGB38.4
Net-(RGB38-DO): RGB38.1 RGB39.4
Net-(RGB39-DO): RGB39.1 RGB40.4
Net-(RGB40-DO): RGB40.1 RGB41.4
Net-(RGB41-DO): RGB41.1 RGB42.4
Net-(RGB42-DO): RGB42.1 RGB43.4
Net-(RGB43-DO): RGB43.1 RGB44.4
Net-(RGB44-DO): RGB44.1 RGB45.4
Net-(RGB45-DO): RGB45.1 RGB46.4
Net-(RGB46-DO): RGB46.1 RGB47.4
Net-(RGB47-DO): RGB47.1 RGB48.4
Net-(RGB48-DO): RGB48.1 RGB49.4
Net-(RGB49-DO): RGB49.1 RGB50.4
Net-(RGB50-DO): RGB50.1 RGB51.4
Net-(RGB51-DO): RGB51.1 RGB52.4
Net-(RGB52-DO): RGB52.1 RGB53.4
Net-(RGB53-DO): RGB53.1 RGB54.4
Net-(RGB54-DO): RGB54.1 RGB55.4
Net-(RGB55-DO): RGB55.1 RGB56.4
Net-(RGB56-DO): RGB56.1 RGB57.4
Net-(RGB57-DO): RGB57.1 RGB58.4
Net-(RGB58-DO): RGB58.1 RGB59.4
Net-(RGB59-DO): RGB59.1 RGB60.4
Net-(RGB60-DO): RGB60.1 RGB61.4
Net-(RGB61-DO): RGB61.1 RGB62.4
Net-(RGB62-DO): RGB62.1 RGB63.4
Net-(RGB63-DO): RGB63.1 RGB64.4
Net-(U3-GPIO2): R7.2 U3.6
Net-(U3-GPIO8): R4.2 U3.14
Net-(U3-U0TXD): R23.1 U3.28
Net-(U3-VDD_SPI_(OUTPUT)): C54.1 C56.1 U3.18
Net-(U3-XTAL_P): R6.1 U3.30

Pads without a net: ESD1 4 6; LDO1#2 1 2 3; RGB64 1; U3 4 5 19 20 21 22 23 24

## Via types
v1: diameter 0.6, hole 0.4, Top to Bottom, 79 vias
v2: diameter 0.5, hole 0.3, Top to Bottom, 32 vias
